# KiCad board Marble.kicad_pcb (continued)
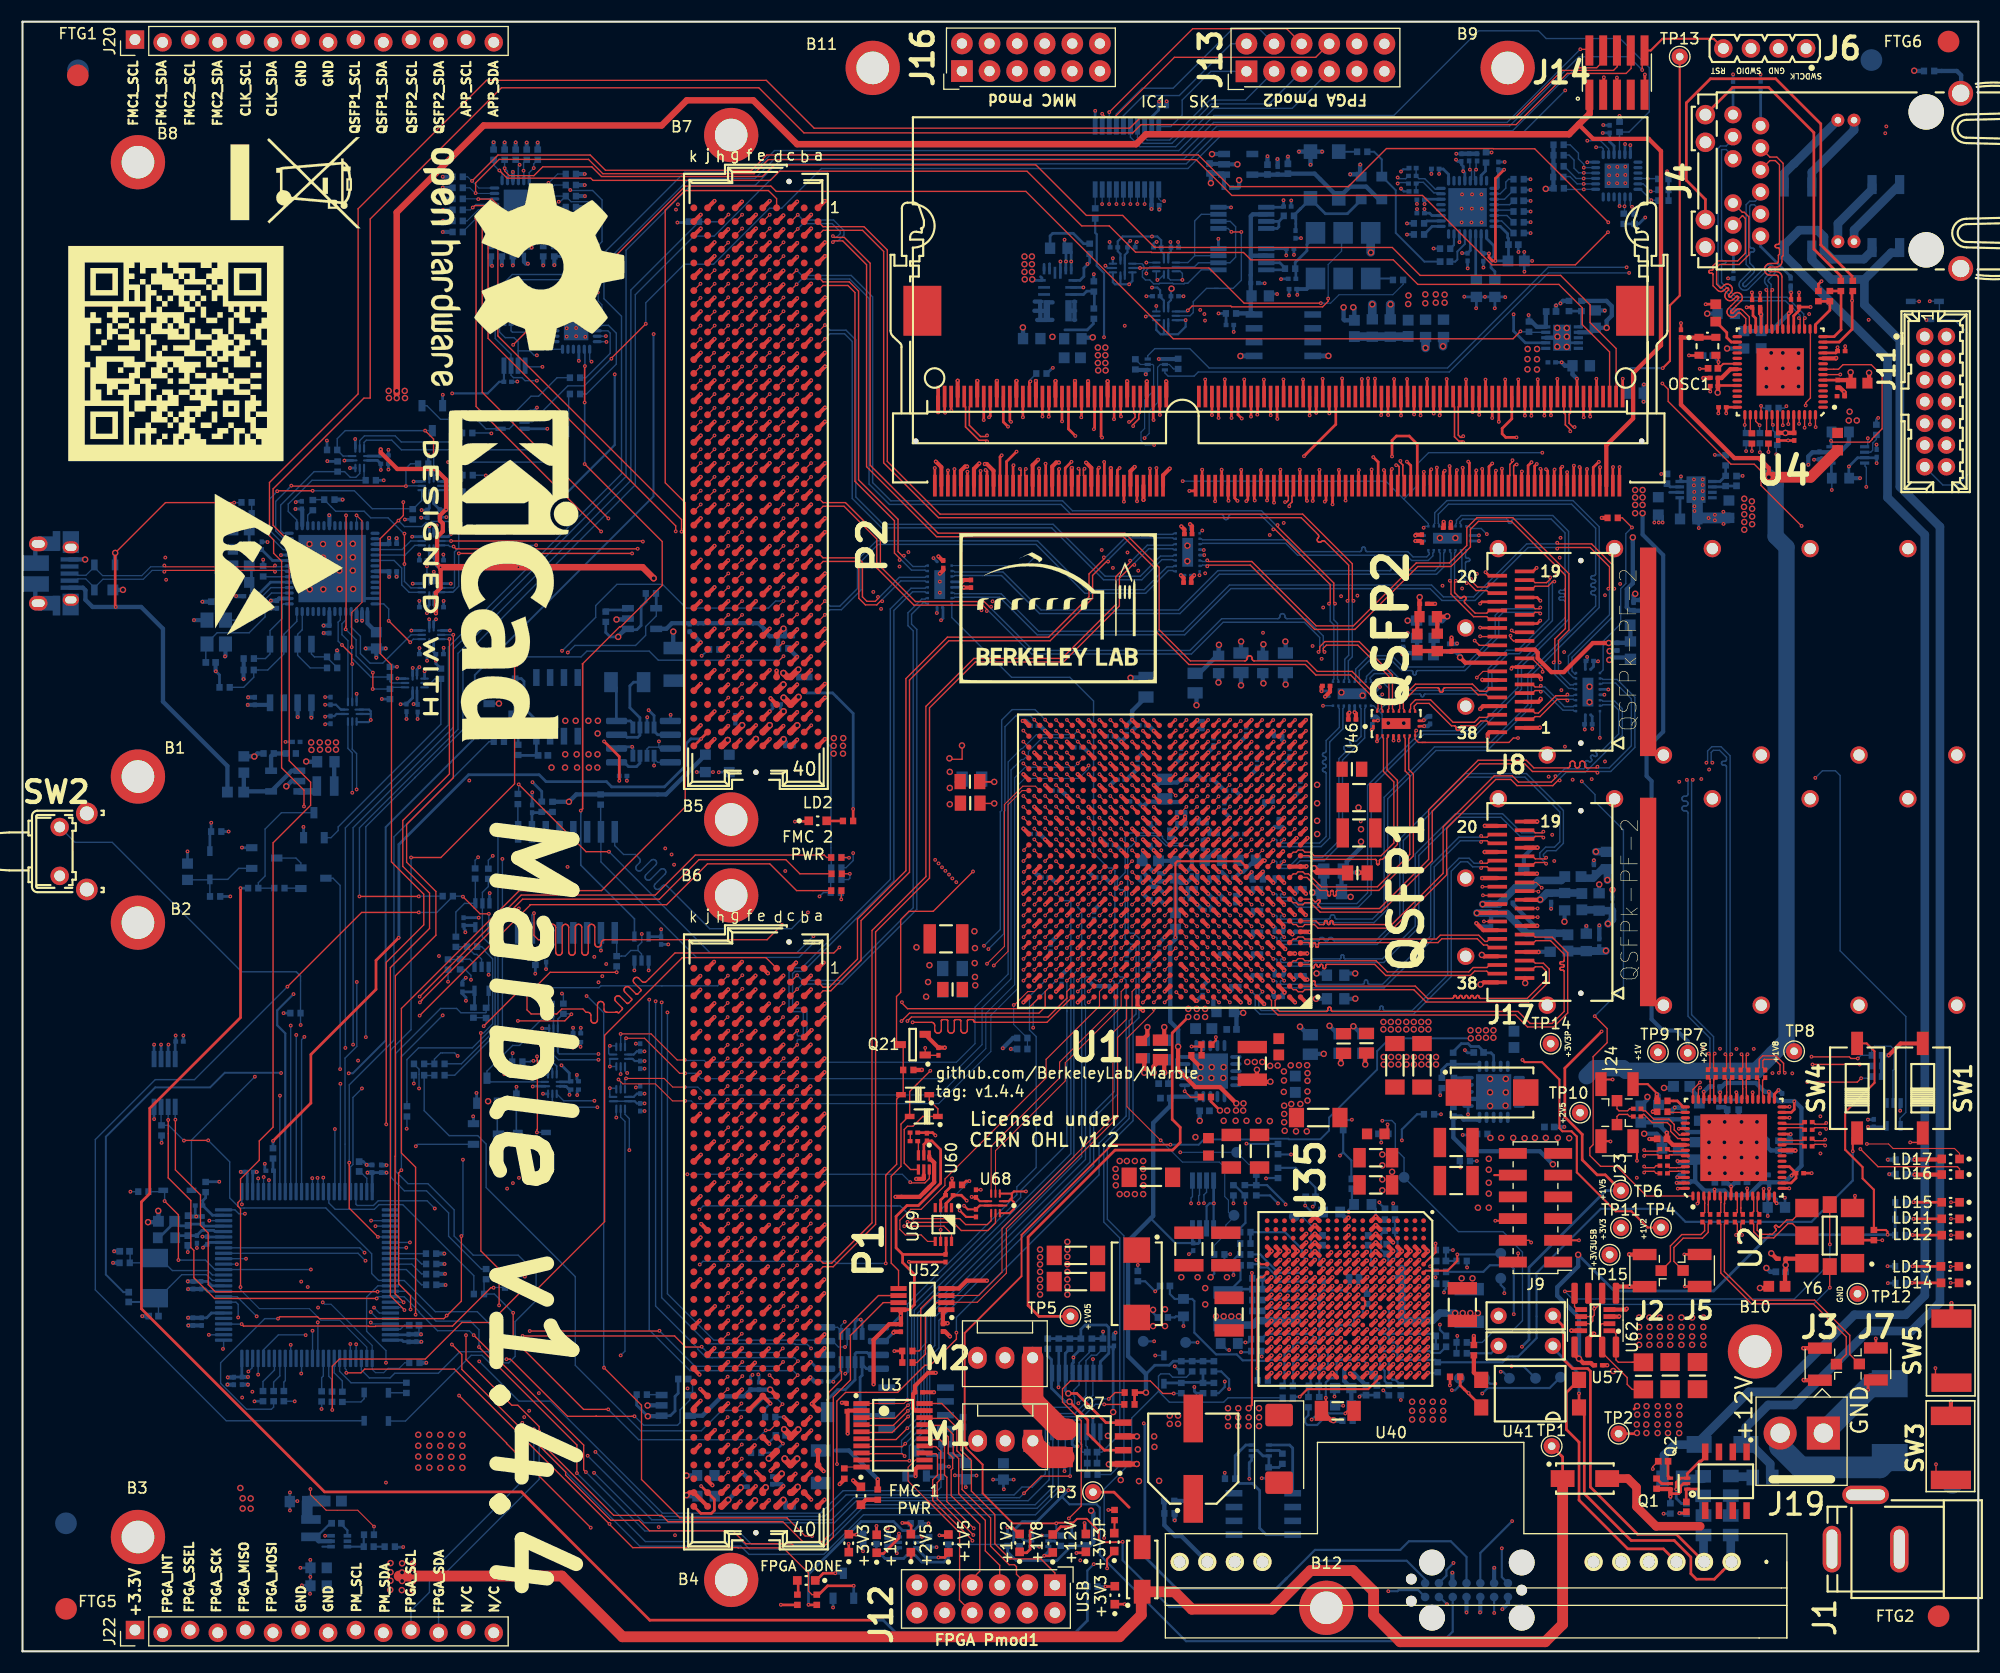
[diagram p0: board, top side]
## Routing (per net, layer and track width the routed paths; a pad name or vN(x,y) marks a point on that pad's centre or on a via; arc(x,y) is an arc through that point) (continued)
/FPGA/FPGA_MGT/GBX_MUX/MGT_MUX_PD: length 164.6
  Top w0.127: v1(148.13,103.44) 147.24,104.33 R300.1
  Top w0.254: v1(124.66,83.76) 124.67,83.77 124.67,84.3
  In2.Cu w0.127: v1(125.14,89.25) 125.39,89.25 128.19,92.05 128.19,96 128.01,96.18 128.01,98.44 128.95,99.38 v1(128.95,103.42) ; v1(148.13,103.44) 148.48,103.44 149.98,104.95 149.98,108.25 145.95,112.28 145.95,113.4 144.8,114.54 143.08,114.54 139.87,111.34 v1(139.87,110.33)
  In4.Cu w0.102: v1(93.16,100.73) 93.16,103.89 89.46,107.6 89.46,109.34 86.59,112.21 84.76,112.21 83.64,113.33 83.64,114.95 84,115.31 104.06,115.31 106.78,112.59 106.78,106.75 107.79,105.73 107.79,103.95 v1(108.58,103.17)
  Bottom w0.102: v1(93.16,100.73) 92.37,99.94 85.53,99.94
  Bottom w0.127: 127.12,106.06 125.47,107.71 v1(106.78,107.71) ; 127.12,106.06 129.39,103.8 U50.2 129.09,103.55 v1(128.95,103.42) ; 127.12,106.06 128.39,107.33 128.39,109.31 129.41,110.33 v1(139.87,110.33) ; 108.33,102.9 108.33,102.91 v1(108.58,103.17) ; 124.83,86.57 124.35,87.04 U48.2 ; 124.83,86.57 125.13,86.26 125.13,84.23 v1(124.66,83.76) ; 124.83,86.57 125.8,87.54 125.8,88.59 v1(125.14,89.25) ; 145.18,90.04 145.47,90.33 145.47,92.97 147.09,94.58 147.09,97.81 147.56,98.28 147.56,102.88 v1(148.13,103.44)
/FPGA/FPGA_MGT/GBX_MUX/MGT_RX_6_FMC_N: length 50.1
  Bottom w0.13: U50.16 130.89,101.18 130.8,101.1 130.8,99.8 130.14,99.14 110.15,99.14 106.53,95.52 93.6,95.52 90.1,99.02 85.78,99.02 85.7,98.94 85.53,98.94
/FPGA/FPGA_MGT/GBX_MUX/MGT_RX_6_FMC_P: length 50.1
  Bottom w0.13: U50.17 130.39,101.18 130.47,101.1 130.47,99.94 130,99.47 126.42,99.47 126.38,99.47 126.35,99.48 126.32,99.5 126.3,99.53 126.28,99.55 126.27,99.59 126.27,99.62 126.27,99.72 126.26,99.76 126.25,99.79 126.23,99.82 126.21,99.84 126.18,99.86 126.15,99.87 126.12,99.87 126.08,99.87 126.05,99.86 126.02,99.84 126,99.82 125.98,99.79 125.97,99.76 125.97,99.72 125.97,99.62 125.96,99.59 125.95,99.55 125.93,99.53 125.91,99.5 125.88,99.48 125.85,99.47 125.82,99.47 110.01,99.47 106.39,95.85 93.74,95.85 90.24,99.35 85.78,99.35 85.7,99.44 85.53,99.44
/FPGA/FPGA_MGT/GBX_MUX/MGT_RX_7_FMC_N: length 22.9
  Bottom w0.13: 108.33,101.9 108.5,101.9 108.59,101.98 116.26,101.98 117.35,100.89 127.36,100.89 127.84,100.41 129.38,100.41 129.8,100.83 129.8,101.1 129.89,101.18 U50.18
/FPGA/FPGA_MGT/GBX_MUX/MGT_RX_7_FMC_P: length 22.9
  Bottom w0.13: 108.33,102.4 108.5,102.4 108.59,102.31 116.4,102.31 117.49,101.22 123.07,101.22 123.11,101.23 123.15,101.24 123.18,101.26 123.21,101.29 123.23,101.32 123.24,101.36 123.25,101.4 123.25,101.47 123.25,101.51 123.27,101.55 123.29,101.58 123.31,101.61 123.35,101.63 123.38,101.64 123.42,101.65 123.46,101.64 123.5,101.63 123.53,101.61 123.56,101.58 123.58,101.55 123.59,101.51 123.6,101.47 123.6,101.4 123.6,101.36 123.62,101.32 123.64,101.29 123.66,101.26 123.7,101.24 123.73,101.23 123.77,101.22 127.5,101.22 127.98,100.74 129.24,100.74 129.47,100.97 129.47,101.1 129.39,101.18 U50.19
/FPGA/FPGA_MGT/GBX_MUX/MGT_TX_6_FMC_N: length 79.4
  Top w0.13: v1(145.95,97.81) 146.06,97.92 146.06,99.82 144.28,101.6 141.36,101.6 v1(141.25,101.49)
  Bottom w0.13: v1(141.25,101.49) 141.14,101.6 138.57,101.6 133.69,96.73 130.64,96.73 129.55,97.82 111.22,97.82 106.96,93.56 93.39,93.56 89.93,97.02 85.78,97.02 85.7,96.94 85.53,96.94 ; 142.98,89.54 142.9,89.63 142.75,89.63 142.28,90.09 142.28,91.63 146.06,95.41 146.06,97.7 v1(145.95,97.81)
/FPGA/FPGA_MGT/GBX_MUX/MGT_TX_6_FMC_P: length 79.4
  Top w0.13: v1(146.5,97.81) 146.39,97.92 146.39,99.96 144.41,101.93 141.36,101.93 v1(141.25,102.04)
  Bottom w0.13: 85.53,97.44 85.7,97.44 85.78,97.35 90.07,97.35 93.52,93.89 106.82,93.89 111.08,98.15 129.68,98.15 130.77,97.06 133.56,97.06 138.44,101.93 141.14,101.93 v1(141.25,102.04) ; 142.98,90.04 142.9,89.96 142.88,89.96 142.61,90.23 142.61,91.49 146.39,95.27 146.39,97.7 v1(146.5,97.81)
/FPGA/FPGA_MGT/GBX_MUX/MGT_TX_7_FMC_N: length 55.5
  Top w0.13: v1(140.92,91.02) 141.03,91.13 141.03,93.18 142,94.14 142,99.05 137.03,104.02 134,104.02 133.26,103.27 133.26,101.65 131.46,99.85 128.41,99.85 122.62,94.06 118.93,94.06 113,99.98 109.15,99.98 v1(109.04,99.87)
  Bottom w0.13: 108.33,99.9 108.5,99.9 108.59,99.98 108.93,99.98 v1(109.04,99.87) ; 142.98,88.54 142.81,88.54 142.73,88.63 142.31,88.63 141.03,89.9 141.03,90.91 v1(140.92,91.02)
/FPGA/FPGA_MGT/GBX_MUX/MGT_TX_7_FMC_P: length 55.5
  Top w0.13: v1(141.47,91.02) 141.36,91.13 141.36,93.04 142.33,94 142.33,99.19 137.17,104.35 133.86,104.35 132.93,103.41 132.93,101.79 131.32,100.18 128.28,100.18 122.48,94.39 119.06,94.39 113.14,100.31 109.15,100.31 v1(109.04,100.42)
  Bottom w0.13: 108.33,100.4 108.5,100.4 108.59,100.31 108.93,100.31 v1(109.04,100.42) ; 142.98,89.04 142.81,89.04 142.73,88.96 142.44,88.96 141.36,90.04 141.36,90.91 v1(141.47,91.02)
/FPGA/FPGA_MGT/MGT_CLK_0_N: length 51.8
  Top w0.127: 113.59,63.26 114.09,62.76
  Top w0.13: C33.1 150.36,44.7 150.17,44.51 149.36,44.51 v1(149.25,44.62)
  In9.Cu w0.1: v1(149.25,44.62) 149.12,44.49 147.42,44.49 145.56,46.35 145.56,49.96 145.56,50 145.57,50.03 145.6,50.07 145.62,50.09 145.66,50.11 145.69,50.13 145.73,50.13 145.78,50.13 145.81,50.14 145.85,50.15 145.88,50.17 145.91,50.2 145.93,50.23 145.95,50.27 145.95,50.31 145.95,50.35 145.93,50.38 145.91,50.42 145.88,50.44 145.85,50.46 145.81,50.48 145.78,50.48 145.73,50.48 145.69,50.49 145.66,50.5 145.62,50.52 145.6,50.55 145.57,50.58 145.56,50.62 145.56,50.66 145.56,54.94 142.81,57.69 137.29,57.69 136.56,58.43 130.56,58.43 127.64,61.35 113.98,61.35 113.74,61.59 113.74,62.01 113.73,62.01 113.73,62.41 114.09,62.76
  vias: v1(114.09,62.73)
/FPGA/FPGA_MGT/MGT_CLK_0_P: length 51.7
  Top w0.127: 112.59,63.26 113.09,62.76
  Top w0.13: v1(149.25,44.07) 149.36,44.18 150.17,44.18 150.36,43.99 C289.1
  In9.Cu w0.1: 113.09,62.76 113.45,62.41 113.45,61.57 113.95,61.06 115.26,61.06 115.27,61.06 127.52,61.06 130.44,58.14 136.44,58.14 137.17,57.4 142.69,57.4 145.27,54.82 145.27,46.23 147.43,44.07 v1(149.25,44.07)
  vias: v1(113.09,62.73)
/FPGA/FPGA_MGT/MGT_CLK_1_N: length 56.2
  Top w0.127: 113.6,65.23 v1(114.1,64.73)
  Top w0.13: C32.1 150.5,46.03 149.36,46.03 v1(149.25,46.14)
  In9.Cu w0.1: v1(114.1,64.73) 113.75,64.38 113.75,63.61 113.98,63.38 114.37,63.38 127.9,63.38 131.4,59.88 137.43,59.88 140.07,62.52 144.08,62.52 147.31,59.28 147.31,51.09 147.31,51.05 147.33,51.01 147.35,50.98 147.38,50.95 147.41,50.93 147.45,50.92 147.48,50.91 147.53,50.91 147.57,50.91 147.6,50.9 147.64,50.87 147.67,50.85 147.69,50.81 147.7,50.78 147.7,50.74 147.7,50.7 147.69,50.66 147.67,50.63 147.64,50.6 147.6,50.58 147.57,50.57 147.53,50.56 147.48,50.56 147.45,50.56 147.41,50.55 147.38,50.52 147.35,50.5 147.33,50.46 147.31,50.43 147.31,50.39 147.31,47.09 148.39,46.01 149.12,46.01 v1(149.25,46.14)
/FPGA/FPGA_MGT/MGT_CLK_1_P: length 56.2
  Top w0.127: 112.6,65.23 v1(113.1,64.73)
  Top w0.13: C288.1 150.5,45.7 149.36,45.7 v1(149.25,45.59)
  In9.Cu w0.1: v1(113.1,64.73) 113.46,64.38 113.46,63.49 113.86,63.09 113.93,63.09 113.93,63.09 114.24,63.09 114.25,63.09 127.78,63.09 131.28,59.59 137.55,59.59 140.19,62.23 143.96,62.23 147.02,59.16 147.02,46.97 148.27,45.72 149.12,45.72 v1(149.25,45.59)
/FPGA/FPGA_MGT/MGT_CLK_2_N: length 69.3
  Top w0.127: U1.H5 v1(114.12,66.73)
  Top w0.13: v1(166.01,48.08) 165.9,48.19 164.96,48.19 164.78,48.01 C31.1
  In9.Cu w0.1: v1(114.12,66.73) 113.76,66.38 113.76,65.6 113.98,65.39 157.77,65.39 167.1,56.06 167.1,48.9 166.41,48.21 166.14,48.21 v1(166.01,48.08)
/FPGA/FPGA_MGT/MGT_CLK_2_P: length 69.3
  Top w0.127: U1.H6 v1(113.12,66.73)
  Top w0.13: v1(166.01,48.63) 165.9,48.52 164.98,48.52 164.79,48.71 C35.1
  In9.Cu w0.1: v1(166.01,48.63) 166.14,48.5 166.29,48.5 166.81,49.02 166.81,55.94 165.27,57.48 165.23,57.5 165.19,57.52 165.15,57.53 165.1,57.53 165.06,57.52 165.02,57.5 164.99,57.48 164.98,57.47 164.94,57.44 164.9,57.42 164.86,57.41 164.81,57.41 164.77,57.42 164.73,57.44 164.69,57.47 164.67,57.5 164.65,57.54 164.64,57.59 164.64,57.63 164.65,57.67 164.67,57.71 164.69,57.75 164.7,57.76 164.73,57.79 164.75,57.83 164.76,57.88 164.76,57.92 164.75,57.97 164.73,58.01 164.7,58.04 157.65,65.1 113.86,65.1 113.47,65.48 113.47,66.38 v1(113.12,66.73)
/FPGA/FPGA_MGT/MGT_CLK_3_N: length 75.2
  Top w0.127: U1.K5 v1(114.12,68.73)
  Top w0.13: C30.1 164.77,46.48 164.96,46.67 165.8,46.67 v1(165.91,46.56)
  In9.Cu w0.1: v1(165.91,46.56) 166.04,46.69 168.01,46.69 168.44,47.12 168.44,57.33 159.44,66.33 132.21,66.33 131.17,67.37 113.98,67.37 113.76,67.58 113.76,68.38 v1(114.12,68.73)
/FPGA/FPGA_MGT/MGT_CLK_3_P: length 75.2
  Top w0.127: U1.K6 v1(113.12,68.73)
  Top w0.13: C34.1 164.76,47.19 164.95,47 165.8,47 v1(165.91,47.11)
  In9.Cu w0.1: v1(113.12,68.73) 113.47,68.38 113.47,67.46 113.86,67.08 131.05,67.08 132.09,66.04 159.32,66.04 165.54,59.82 165.57,59.78 165.59,59.74 165.6,59.7 165.6,59.66 165.59,59.61 165.57,59.57 165.54,59.54 165.53,59.53 165.5,59.49 165.48,59.45 165.47,59.41 165.47,59.36 165.48,59.32 165.5,59.28 165.53,59.24 165.57,59.22 165.61,59.2 165.65,59.19 165.7,59.19 165.74,59.2 165.78,59.22 165.81,59.24 165.82,59.25 165.86,59.28 165.9,59.3 165.94,59.31 165.99,59.31 166.03,59.3 166.07,59.28 166.11,59.25 168.15,57.21 168.15,47.24 167.89,46.98 166.04,46.98 v1(165.91,47.11)
/FPGA/FPGA_MGT/MGT_CLK_Crosspoint/EXT0_CLK_C_N: length 1.8
  Top w0.13: U2.3 154.82,41.82 154.82,41.26 154.82,41.26 154.82,40.39 154.64,40.21
/FPGA/FPGA_MGT/MGT_CLK_Crosspoint/EXT0_CLK_C_P: length 1.8
  Top w0.13: U2.4 155.15,41.82 155.15,41.12 155.15,41.12 155.15,40.39 C94.1
/FPGA/FPGA_MGT/MGT_CLK_Crosspoint/EXT0_CLK_N: length 7.2
  Top w0.13: J2.1 151.66,35.89 151.66,37.31 152.71,38.36 154.47,38.36 154.82,38.71 154.82,39.33 154.64,39.51
/FPGA/FPGA_MGT/MGT_CLK_Crosspoint/EXT0_CLK_P: length 7.2
  Top w0.13: C94.2 155.15,39.33 155.15,38.57 154.6,38.03 152.85,38.03 151.99,37.17 151.99,35.89 J5.1
/FPGA/FPGA_MGT/MGT_CLK_Crosspoint/EXT1_CLK_C_N: length 1.8
  Top w0.13: C83.1 156.3,40.4 156.3,41.31 156.32,41.34 156.32,41.82 U2.6
/FPGA/FPGA_MGT/MGT_CLK_Crosspoint/EXT1_CLK_C_P: length 1.8
  Top w0.13: U2.7 156.65,41.82 156.65,41.2 156.63,41.18 156.63,40.4 C95.1
/FPGA/FPGA_MGT/MGT_CLK_Crosspoint/EXT1_CLK_N: length 21.6
  Top w0.13: J3.1 167.85,27.32 167.85,28.95 164.81,31.99 159.13,31.99 156.3,34.81 156.3,39.32 C83.2
/FPGA/FPGA_MGT/MGT_CLK_Crosspoint/EXT1_CLK_P: length 21.6
  Top w0.13: C95.2 156.63,39.32 156.63,34.95 159.26,32.32 164.94,32.32 168.18,29.09 168.18,27.32 J7.1
/FPGA/FPGA_MGT/MGT_CLK_Crosspoint/FMC1_GBTCLK0_M2C_C_N: length 1.9
  Top w0.13: U2.35 160.15,50.89 160.15,52.55 160.27,52.67
/FPGA/FPGA_MGT/MGT_CLK_Crosspoint/FMC1_GBTCLK0_M2C_C_P: length 1.9
  Top w0.13: 159.76,52.67 159.82,52.61 159.82,50.89 U2.36
/FPGA/FPGA_MGT/MGT_CLK_Crosspoint/FMC1_GBTCLK1_M2C_C_N: length 2.1
  Top w0.13: C87.1 158.84,52.76 158.65,52.57 158.65,51.91 158.65,51.9 158.65,50.89 U2.38
/FPGA/FPGA_MGT/MGT_CLK_Crosspoint/FMC1_GBTCLK1_M2C_C_P: length 2.1
  Top w0.13: U2.39 158.32,50.89 158.32,51.77 158.32,51.77 158.32,52.59 158.13,52.78 C99.1
/FPGA/FPGA_MGT/MGT_CLK_Crosspoint/FMC2_GBTCLK0_M2C_C_N: length 1.9
  Top w0.13: U2.41 157.15,50.89 ; C88.1 157.17,52.63 157.17,51.07 157.17,51.07
/FPGA/FPGA_MGT/MGT_CLK_Crosspoint/FMC2_GBTCLK0_M2C_C_P: length 2
  Top w0.13: U2.42 156.82,50.89 ; C100.1 156.84,52.63 156.84,51.47 156.84,51.47 156.84,51.15 156.79,51.1
/FPGA/FPGA_MGT/MGT_CLK_Crosspoint/FMC2_GBTCLK1_M2C_C_N: length 2.1
  Top w0.13: U2.44 155.65,50.89 155.65,52.57 155.64,52.58 155.64,52.65 C89.1
/FPGA/FPGA_MGT/MGT_CLK_Crosspoint/FMC2_GBTCLK1_M2C_C_P: length 2.1
  Top w0.13: C101.1 155.31,52.65 155.31,52.44 155.32,52.43 155.32,50.89 U2.45
/FPGA/FPGA_MGT/MGT_CLK_Crosspoint/FPGA_REF_CLK0_C_N: length 1.8
  Top w0.13: 157.64,40.21 157.82,40.4 157.82,40.67 157.82,40.67 157.82,41.82 U2.9
/FPGA/FPGA_MGT/MGT_CLK_Crosspoint/FPGA_REF_CLK0_C_P: length 1.8
  Top w0.13: U2.10 158.15,41.82 158.15,40.81 158.15,40.8 158.15,40.4 C96.1
/FPGA/FPGA_MGT/MGT_CLK_Crosspoint/MGT_CLK_0_C_N: length 1.8
  Top w0.13: C33.2 151.59,44.51 152.24,44.51 152.25,44.52 152.95,44.52 U2.60
/FPGA/FPGA_MGT/MGT_CLK_Crosspoint/MGT_CLK_0_C_P: length 1.8
  Top w0.13: U2.61 152.95,44.19 152.38,44.19 152.37,44.18 151.59,44.18 C289.2
/FPGA/FPGA_MGT/MGT_CLK_Crosspoint/MGT_CLK_1_C_N: length 1.8
  Top w0.13: C32.2 151.58,46.03 151.93,46.03 151.94,46.02 152.95,46.02 U2.57
/FPGA/FPGA_MGT/MGT_CLK_Crosspoint/MGT_CLK_1_C_P: length 1.8
  Top w0.13: U2.58 152.95,45.69 151.8,45.69 151.79,45.7 151.58,45.7 C288.2
/FPGA/FPGA_MGT/MGT_CLK_Crosspoint/MGT_CLK_2_C_N: length 2.1
  Top w0.13: U2.28 162.02,48.19 163.81,48.19 163.98,48.02
/FPGA/FPGA_MGT/MGT_CLK_Crosspoint/MGT_CLK_2_C_P: length 2.1
  Top w0.13: U2.29 162.02,48.52 163.82,48.52 163.98,48.68
/FPGA/FPGA_MGT/MGT_CLK_Crosspoint/MGT_CLK_3_C_N: length 2.1
  Top w0.13: 163.95,46.52 163.78,46.69 162.02,46.69 U2.25
/FPGA/FPGA_MGT/MGT_CLK_Crosspoint/MGT_CLK_3_C_P: length 2.1
  Top w0.13: U2.26 162.02,47.02 163.84,47.02 163.95,47.13
/FPGA/FPGA_MGT/MGT_CLK_Crosspoint/OUT1_CLK_C_N: length 5.4
  Top w0.13: U2.54 152.95,47.52 152.49,47.52 152.02,48 152.02,48.5 151.52,49 150.12,49 149.36,49.75 149.16,49.75 148.97,49.94 C141.2
/FPGA/FPGA_MGT/MGT_CLK_Crosspoint/OUT1_CLK_C_P: length 5.4
  Top w0.13: U2.55 152.95,47.19 152.35,47.19 151.68,47.86 151.68,48.36 151.38,48.67 149.98,48.67 149.23,49.42 149.16,49.42 148.97,49.23 C416.2
/FPGA/FPGA_MGT/MGT_CLK_Crosspoint/OUT1_CLK_N: length 2.4
  Top w0.13: C141.1 147.91,49.94 147.72,49.75 146.93,49.75 146.75,49.93 J24.1
/FPGA/FPGA_MGT/MGT_CLK_Crosspoint/OUT1_CLK_P: length 2.4
  Top w0.13: C416.1 147.91,49.23 147.72,49.42 146.94,49.42 146.75,49.23 J23.1
/FPGA/FPGA_MGT/MGT_CLK_Crosspoint/SI570_CLK_C_N: length 1.8
  Top w0.13: C85.1 159.13,40.3 159.33,40.5 159.33,41.82 U2.12
/FPGA/FPGA_MGT/MGT_CLK_Crosspoint/SI570_CLK_C_P: length 1.8
  Top w0.13: U2.13 159.65,41.82 159.65,40.51 159.85,40.32 C97.1
/FPGA/FPGA_MGT/MGT_CLK_Crosspoint/VTTI: length 18.1
  Top w0.254: v1(157.25,42.79) 157.25,41.92 U2.8 ; U2.40 157.74,51.44 v1(157.73,51.45)
  In9.Cu w0.254: v1(157.73,51.45) 157.56,51.28 157.56,43.1 v1(157.25,42.79)
  Bottom w0.254: v1(157.73,51.45) 157.73,51.35 157.86,51.22 157.86,50.85 C372.1 C371.1 156.11,50.76 C327.1 154.59,50.78 154.33,50.52
  Bottom w0.4: 154.33,50.52 154.02,50.83 154.02,51.25 153.53,51.74 153.53,51.86 ; C366.1 157.68,43.22 v1(157.25,42.79) 156.87,43.17 C364.1
/FPGA/FPGA_MGT/MGT_CLK_Crosspoint/VTTO: length 21.3
  Top w0.4: U2.24 163.15,46.11 v1(163.17,46.09) ; U2.56 151.9,46.61 C373.1 151.35,47.71 v1(151.33,47.73)
  Bottom w0.4: C370.2 150.84,48.97 C369.1 152.79,48.97 152.8,48.98 C376.1 152.9,48.23 153.34,47.79 159.89,47.79 160.63,47.06 160.63,46.38 160.91,46.1 C368.1 161.64,46.07 C367.1 162.65,46.09 v1(163.17,46.09) ; C370.2 150.57,48.49 v1(151.33,47.73) ; C370.2 L8.1
/FPGA/FPGA_MGT/MGT_RX_4_N: length 19.4
  Top w0.127: U1.R3 v1(116.12,74.73)
  Bottom w0.13: v1(116.12,74.73) 115.85,74.73 115.78,74.66 115.78,74.51 115.89,74.4 119.38,74.4 119.98,75 119.98,80.8 119.97,80.83 119.96,80.87 119.94,80.9 119.92,80.93 119.88,80.95 119.85,80.96 119.77,80.97 119.74,80.98 119.71,81 119.68,81.03 119.66,81.06 119.65,81.09 119.65,81.13 119.65,81.15 119.65,81.18 119.66,81.22 119.68,81.25 119.71,81.28 119.74,81.3 119.77,81.31 119.85,81.32 119.88,81.33 119.92,81.35 119.94,81.38 119.96,81.41 119.97,81.44 119.98,81.48 119.98,81.5 119.97,81.53 119.96,81.57 119.94,81.6 119.92,81.63 119.88,81.65 119.85,81.66 119.77,81.67 119.74,81.68 119.71,81.7 119.68,81.73 119.66,81.76 119.65,81.79 119.65,81.83 119.65,81.85 119.65,81.88 119.66,81.92 119.68,81.95 119.71,81.98 119.74,82 119.77,82.01 119.85,82.02 119.88,82.03 119.92,82.05 119.94,82.08 119.96,82.11 119.97,82.14 119.98,82.18 119.98,82.2 119.97,82.23 119.96,82.27 119.94,82.3 119.92,82.33 119.88,82.35 119.85,82.36 119.77,82.37 119.74,82.38 119.71,82.4 119.68,82.43 119.66,82.46 119.65,82.49 119.65,82.53 119.65,82.55 119.65,82.58 119.66,82.62 119.68,82.65 119.71,82.68 119.74,82.7 119.77,82.71 119.85,82.72 119.88,82.73 119.92,82.75 119.94,82.78 119.96,82.81 119.97,82.84 119.98,82.88 119.98,83.83 121.19,85.05 121.19,86.78 121.11,86.87 U48.8
/FPGA/FPGA_MGT/MGT_RX_4_P: length 19.4
  Top w0.127: U1.R4 v1(115.12,74.73)
  Bottom w0.13: v1(115.12,74.73) 115.38,74.73 115.45,74.66 115.45,74.37 115.76,74.07 119.51,74.07 120.31,74.86 120.31,83.69 121.53,84.91 121.53,86.78 121.61,86.87 U48.7
/FPGA/FPGA_MGT/MGT_RX_5_N: length 22
  Top w0.127: U1.N3 v1(116.12,72.73)
  Bottom w0.13: 116.11,72.72 115.84,72.72 115.77,72.66 115.77,72.5 115.88,72.39 116.75,72.39 117.45,73.1 119.65,73.1 121.16,74.6 121.16,82.17 121.68,82.7 121.71,82.73 121.73,82.77 121.74,82.82 121.74,82.86 121.73,82.9 121.71,82.94 121.68,82.98 121.65,83.01 121.62,83.05 121.6,83.09 121.59,83.13 121.59,83.17 121.6,83.22 121.62,83.26 121.65,83.29 121.69,83.32 121.73,83.34 121.77,83.35 121.81,83.35 121.86,83.34 121.9,83.32 121.93,83.29 121.97,83.26 122,83.23 122.04,83.21 122.08,83.2 122.13,83.2 122.17,83.21 122.21,83.23 122.25,83.26 122.28,83.3 122.3,83.34 122.31,83.38 122.31,83.43 122.3,83.47 122.28,83.51 122.25,83.54 122.22,83.58 122.19,83.61 122.17,83.65 122.16,83.7 122.16,83.74 122.17,83.78 122.19,83.82 122.22,83.86 122.25,83.89 122.29,83.91 122.34,83.92 122.38,83.92 122.42,83.91 122.46,83.89 122.5,83.86 122.53,83.83 122.57,83.8 122.61,83.78 122.65,83.77 122.7,83.77 122.74,83.78 122.78,83.8 122.81,83.83 123.19,84.21 123.19,86.78 123.11,86.87 U48.4
/FPGA/FPGA_MGT/MGT_RX_5_P: length 22
  Top w0.127: U1.N4 v1(115.12,72.73)
  Bottom w0.13: U48.3 123.61,86.87 123.53,86.78 123.53,84.07 121.48,82.03 121.48,74.46 119.79,72.77 117.59,72.77 116.89,72.06 115.74,72.06 115.44,72.36 115.44,72.65 115.37,72.72 115.11,72.72
/FPGA/FPGA_MGT/MGT_RX_6_N: length 66.3
  Top w0.127: U1.L3 v1(116.12,69.73)
  Bottom w0.13: 116.12,69.73 115.85,69.73 115.78,69.66 115.78,69.5 115.89,69.4 116.87,69.4 117.44,68.82 122.8,68.82 123.79,69.82 123.79,79.71 128.82,84.74 133.66,84.74 137.63,88.7 137.63,90.79 141.97,95.13 141.97,96.61 141.96,96.65 141.95,96.68 141.93,96.71 141.91,96.73 141.88,96.75 141.85,96.76 141.81,96.76 141.56,96.76 141.53,96.77 141.5,96.78 141.47,96.8 141.45,96.82 141.43,96.85 141.42,96.88 141.41,96.91 141.42,96.95 141.43,96.98 141.45,97.01 141.47,97.03 141.5,97.05 141.53,97.06 141.56,97.06 141.81,97.06 141.85,97.07 141.88,97.08 141.91,97.1 141.93,97.12 141.95,97.15 141.96,97.18 141.97,97.21 141.96,97.25 141.95,97.28 141.93,97.31 141.91,97.33 141.88,97.35 141.85,97.36 141.81,97.36 141.56,97.36 141.53,97.37 141.5,97.38 141.47,97.4 141.45,97.42 141.43,97.45 141.42,97.48 141.41,97.51 141.42,97.55 141.43,97.58 141.45,97.61 141.47,97.63 141.5,97.65 141.53,97.66 141.56,97.66 141.81,97.66 141.85,97.67 141.88,97.68 141.91,97.7 141.93,97.72 141.95,97.75 141.96,97.78 141.97,97.81 141.97,102.95 140.7,104.22 137.26,104.22 137.22,104.22 137.18,104.2 137.15,104.18 137.12,104.15 137.1,104.12 137.09,104.08 137.09,104.04 137.09,103.99 137.08,103.96 137.07,103.92 137.05,103.89 137.02,103.86 136.99,103.84 136.95,103.82 136.91,103.82 136.87,103.82 136.83,103.84 136.8,103.86 136.77,103.89 136.75,103.92 136.74,103.96 136.74,103.99 136.74,104.04 136.73,104.08 136.72,104.12 136.7,104.15 136.67,104.18 136.64,104.2 136.6,104.22 136.56,104.22 132.55,104.22 132.3,103.97 132.3,103.81 132.39,103.73 U50.8
/FPGA/FPGA_MGT/MGT_RX_6_P: length 66.3
  Top w0.127: U1.L4 v1(115.12,69.73)
  Bottom w0.13: 115.12,69.73 115.38,69.73 115.45,69.65 115.45,69.37 115.76,69.07 116.73,69.07 117.31,68.49 122.94,68.49 124.12,69.68 124.12,79.57 128.96,84.41 133.8,84.41 137.96,88.56 137.96,90.65 142.29,94.99 142.29,103.09 140.83,104.55 132.42,104.55 131.97,104.11 131.97,103.81 131.89,103.73 U50.7
/FPGA/FPGA_MGT/MGT_RX_7_N: length 76.1
  Top w0.127: U1.J3 v1(116.12,67.73)
  Bottom w0.13: U50.4 130.39,103.73 130.3,103.81 130.3,104.66 131.23,105.59 142.57,105.59 144.78,103.37 144.78,99.19 144.78,99.15 144.77,99.11 144.75,99.08 144.72,99.05 144.69,99.03 144.65,99.01 144.61,99.01 144.52,99.01 144.48,99.01 144.44,98.99 144.41,98.97 144.38,98.94 144.36,98.91 144.35,98.87 144.35,98.84 144.35,98.8 144.36,98.76 144.38,98.73 144.41,98.7 144.44,98.68 144.48,98.66 144.52,98.66 144.61,98.66 144.65,98.66 144.69,98.64 144.72,98.62 144.75,98.59 144.77,98.56 144.78,98.52 144.78,98.49 144.78,98.45 144.77,98.41 144.75,98.38 144.72,98.35 144.69,98.33 144.65,98.31 144.61,98.31 144.52,98.31 144.48,98.31 144.44,98.29 144.41,98.27 144.38,98.24 144.36,98.21 144.35,98.17 144.35,98.14 144.35,98.1 144.36,98.06 144.38,98.03 144.41,98 144.44,97.98 144.48,97.96 144.52,97.96 144.61,97.96 144.65,97.96 144.69,97.94 144.72,97.92 144.75,97.89 144.77,97.86 144.78,97.82 144.78,97.79 144.78,97.75 144.77,97.71 144.75,97.68 144.72,97.65 144.69,97.63 144.65,97.61 144.61,97.61 144.52,97.61 144.48,97.61 144.44,97.59 144.41,97.57 144.38,97.54 144.36,97.51 144.35,97.47 144.35,97.44 144.35,97.4 144.36,97.36 144.38,97.33 144.41,97.3 144.44,97.28 144.48,97.26 144.52,97.26 144.61,97.26 144.65,97.26 144.69,97.24 144.72,97.22 144.75,97.19 144.77,97.16 144.78,97.12 144.78,97.09 144.78,96.22 138.54,89.97 138.54,87.11 134.68,83.25 129.95,83.25 125.31,78.61 125.31,68.47 124.25,67.4 120.97,67.4 120.93,67.41 120.89,67.42 120.85,67.45 120.82,67.48 120.79,67.52 120.78,67.56 120.77,67.65 120.75,67.69 120.73,67.73 120.7,67.76 120.66,67.78 120.62,67.8 120.57,67.8 120.56,67.8 120.52,67.8 120.48,67.78 120.44,67.76 120.41,67.73 120.38,67.69 120.37,67.65 120.36,67.56 120.34,67.52 120.32,67.48 120.29,67.45 120.25,67.42 120.21,67.41 120.16,67.4 115.89,67.4 115.78,67.51 115.78,67.67 115.85,67.73 116.12,67.73
/FPGA/FPGA_MGT/MGT_RX_7_P: length 76.1
  Top w0.127: U1.J4 v1(115.12,67.73)
  Bottom w0.13: U50.3 129.89,103.73 129.97,103.81 129.97,104.8 131.09,105.92 142.7,105.92 145.11,103.51 145.11,96.08 138.87,89.84 138.87,86.97 134.82,82.92 130.09,82.92 125.64,78.47 125.64,68.33 124.39,67.07 115.76,67.07 115.45,67.37 115.45,67.66 115.38,67.73 115.12,67.73
/FPGA/FPGA_MGT/MGT_TX_4_N: length 20.9
  Top w0.13: 125.67,84.3 125.67,84.13 125.59,84.04 125.59,81.12 126.54,80.17 126.54,74.27 125.17,72.9 125.01,72.9 124.98,72.89 124.95,72.88 124.93,72.87 124.91,72.85 124.89,72.82 124.88,72.79 124.88,72.77 124.88,72.53 124.88,72.5 124.87,72.47 124.85,72.45 124.83,72.43 124.81,72.41 124.78,72.4 124.75,72.4 124.72,72.4 124.69,72.41 124.67,72.43 124.65,72.45 124.63,72.47 124.62,72.5 124.62,72.53 124.62,72.77 124.62,72.79 124.61,72.82 124.59,72.85 124.57,72.87 124.55,72.88 124.52,72.89 124.49,72.9 118.73,72.9 118.4,73.23 U1.P1
/FPGA/FPGA_MGT/MGT_TX_4_P: length 20.8
  Top w0.13: U1.P2 116.95,73.56 117.22,73.56 117.41,73.75 117.83,73.75 118.02,73.56 118.53,73.56 118.87,73.23 125.03,73.23 126.21,74.4 126.21,80.03 125.25,80.99 125.25,84.04 125.17,84.13 125.17,84.3
/FPGA/FPGA_MGT/MGT_TX_5_N: length 25.1
  Top w0.13: 118.39,71.06 119.41,70.04 120,70.04 120.02,70.03 120.05,70.02 120.08,70.01 120.1,69.99 120.11,69.96 120.12,69.93 120.13,69.91 120.13,69.66 120.13,69.63 120.14,69.6 120.15,69.58 120.17,69.56 120.2,69.54 120.23,69.53 120.26,69.53 120.28,69.53 120.31,69.54 120.34,69.56 120.36,69.58 120.37,69.6 120.38,69.63 120.39,69.66 120.39,69.91 120.39,69.93 120.4,69.96 120.41,69.99 120.43,70.01 120.46,70.02 120.49,70.03 120.52,70.04 120.54,70.03 120.57,70.02 120.6,70.01 120.62,69.99 120.63,69.96 120.64,69.93 120.65,69.91 120.65,69.66 120.65,69.63 120.66,69.6 120.67,69.58 120.69,69.56 120.72,69.54 120.75,69.53 120.78,69.53 120.8,69.53 120.83,69.54 120.86,69.56 120.88,69.58 120.89,69.6 120.9,69.63 120.91,69.66 120.91,69.91 120.91,69.93 120.92,69.96 120.93,69.99 120.95,70.01 120.98,70.02 121.01,70.03 121.04,70.04 124.83,70.04 128.01,73.21 128.01,80.74 127.59,81.16 127.59,84.04 127.67,84.13 127.67,84.3 ; 118.39,71.06 118.41,71.03 ; 118.39,71.06 118.22,71.23 U1.M1
/FPGA/FPGA_MGT/MGT_TX_5_P: length 24.2
  Top w0.13: 127.17,84.3 127.17,84.13 127.25,84.04 127.25,81.03 127.68,80.61 127.68,73.35 124.69,70.37 119.55,70.37 118.35,71.56 118.03,71.56 117.84,71.75 117.4,71.75 117.21,71.56 116.95,71.56 U1.M2
/FPGA/FPGA_MGT/MGT_TX_6_N: length 50.6
  Top w0.13: U1.K1 118.7,69.23 118.9,69.02 118.93,69.01 118.95,68.99 118.98,68.99 119.01,68.99 119.04,68.99 119.06,69.01 119.09,69.02 119.22,69.15 119.24,69.17 119.27,69.18 119.29,69.19 119.32,69.19 119.35,69.18 119.38,69.17 119.4,69.15 119.42,69.13 119.43,69.1 119.44,69.08 119.44,69.05 119.43,69.02 119.42,68.99 119.4,68.97 119.27,68.84 119.25,68.82 119.24,68.79 119.23,68.76 119.23,68.73 119.24,68.7 119.25,68.68 119.27,68.66 119.56,68.37 124.89,68.37 129.41,72.9 129.41,77.47 133.96,82.02 138.39,82.02 139.1,81.31 142.2,81.31 142.25,81.32 142.3,81.34 142.35,81.36 142.38,81.4 142.41,81.44 142.42,81.49 142.43,81.54 142.43,81.72 142.44,81.77 142.45,81.81 142.48,81.86 142.51,81.89 142.56,81.92 142.6,81.94 142.65,81.94 142.7,81.94 142.75,81.92 142.8,81.89 142.83,81.86 142.86,81.81 142.87,81.77 142.88,81.72 142.88,81.54 142.89,81.49 142.9,81.44 142.93,81.4 142.96,81.36 143.01,81.34 143.05,81.32 143.1,81.31 143.15,81.32 143.2,81.34 143.25,81.36 143.28,81.4 143.31,81.44 143.32,81.49 143.33,81.54 143.33,81.72 143.34,81.77 143.35,81.81 143.38,81.86 143.41,81.89 143.46,81.92 143.5,81.94 143.55,81.94 143.6,81.94 143.65,81.92 143.7,81.89 143.73,81.86 143.76,81.81 143.77,81.77 143.78,81.72 143.78,81.54 143.79,81.49 143.8,81.44 143.83,81.4 143.86,81.36 143.91,81.34 143.95,81.32 144,81.31 144.84,81.31 v1(144.95,81.42)